# KiCad board butterfly-chonky.kicad_pcb
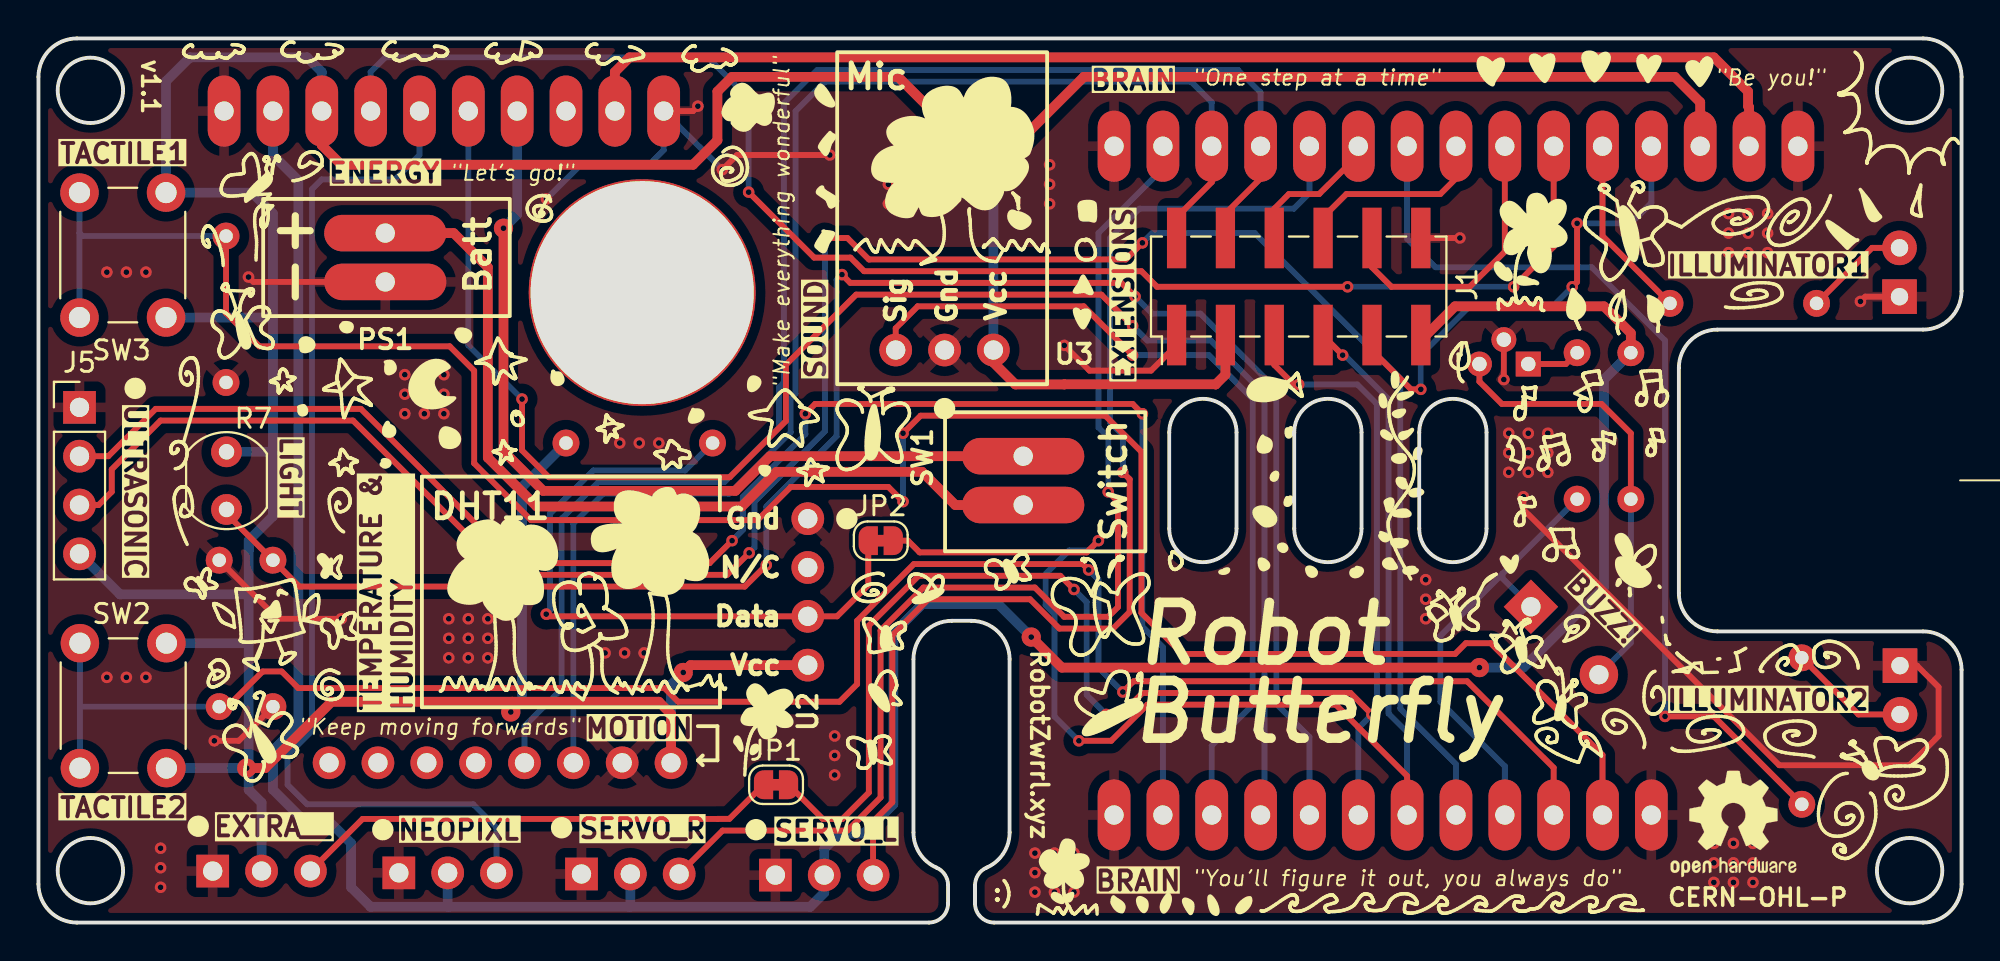
[diagram p0: board, top side]
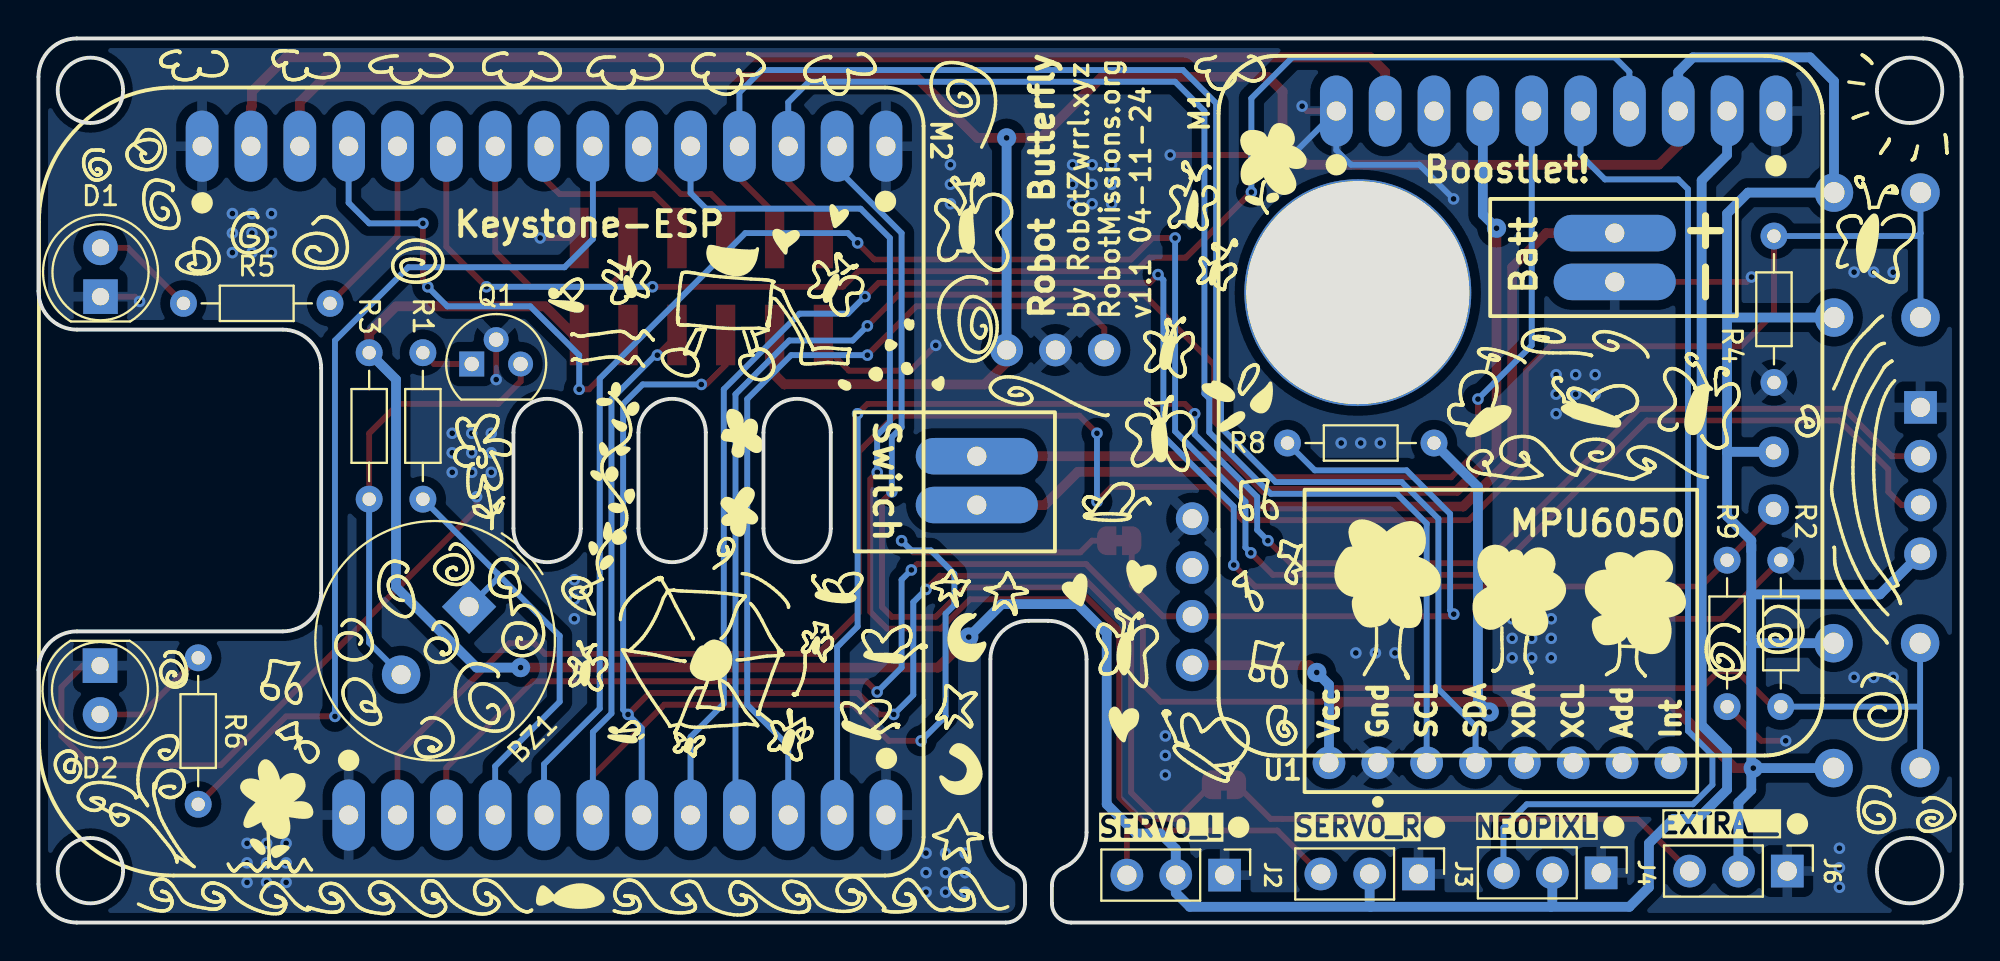
[diagram p1: board, bottom side, seen from below]

Outline 100 x 46 mm; copper layers: Top, Bottom. Coordinates in mm from the lower left corner of the outline.
Outline path: circle c2.7,43.3 r1.7 ; circle c2.7,2.7 r1.7 ; circle c97.3,43.3 r1.7 ; circle c97.3,2.7 r1.7 ; 0,44 0,2 arc(0.59,0.59) 2,0 46.3,0 arc(47.01,0.29) 47.3,1 47.3,1.94 arc(47.14,2.49) 46.7,2.86 arc(45.83,3.59) 45.5,4.69 45.5,13.7 arc(46.09,15.11) 47.5,15.7 48.5,15.7 arc(49.91,15.11) 50.5,13.7 50.5,4.69 arc(50.17,3.59) 49.3,2.86 arc(48.86,2.49) 48.7,1.94 48.7,1 arc(48.99,0.29) 49.7,0 98,0 arc(99.41,0.59) 100,2 100,13.15 arc(99.41,14.56) 98,15.15 87.3,15.15 arc(85.89,15.74) 85.3,17.15 85.3,28.85 arc(85.89,30.26) 87.3,30.85 98,30.85 arc(99.41,31.44) 100,32.85 100,44 arc(99.41,45.41) 98,46 2,46 arc(0.59,45.41) 0,44 ; 58.8,25.5 58.8,20.5 arc(60.55,18.75) 62.3,20.5 62.3,25.5 arc(60.55,27.25) 58.8,25.5 ; 65.3,25.5 65.3,20.5 arc(67.05,18.75) 68.8,20.5 68.8,25.5 arc(67.05,27.25) 65.3,25.5 ; 71.8,25.5 71.8,20.5 arc(73.55,18.75) 75.3,20.5 75.3,25.5 arc(73.55,27.25) 71.8,25.5

## Placement (name value [footprint] x y rotation side)
BZ1  Buzzer  [Buzzer_TDK_PS1240P02BT_D12.2mm_H6.5mm]  77.61 16.43 315 bottom
D1  LED  [LED_D5.0mm_Clear]  96.77 32.57 90 bottom
D2  LED  [LED_D5.0mm_Clear]  96.8 13.37 270 bottom
J1  Conn_02x06_Odd_Even  [PinHeader_2x06_P2.54mm_Vertical_SMD]  65.53 33.09 90 top
J2  Conn_01x03_Pin  [PinHeader_1x03_P2.54mm_Vertical]  38.32 2.47 270 bottom
J3  Conn_01x03_Pin  [PinHeader_1x03_P2.54mm_Vertical]  28.24 2.53 270 bottom
J4  Conn_01x03_Pin  [PinHeader_1x03_P2.54mm_Vertical]  18.74 2.59 270 bottom
J5  Conn_01x04_Socket  [PinHeader_1x04_P2.54mm_Vertical]  2.13 26.8 0 top
J6  Conn_01x03_Pin  [PinHeader_1x03_P2.54mm_Vertical]  9.06 2.68 270 bottom
JP1  SolderJumper_2_Bridged  [SolderJumper-2_P1.3mm_Bridged_RoundedPad1.0x1.5mm]  38.35 7.17 180 top
JP2  SolderJumper_2_Bridged  [SolderJumper-2_P1.3mm_Bridged_RoundedPad1.0x1.5mm]  43.8 19.87 0 top
M1  ~  [Boostlet_v1.3]  23.14 25.66 180 top
M2  ~  [Keystone-ESP_v1.2]  76.5 22.11 180 top
PS1  2xAA_Battery_Module  [Batt_Header]  19.3 37.27 0 top
Q1  2N2222  [TO-92]  77.47 29.06 180 bottom
R1  2K  [R_Axial_DIN0204_L3.6mm_D1.6mm_P7.62mm_Horizontal]  80.01 22.03 90 bottom
R2  10k  [R_Axial_DIN0204_L3.6mm_D1.6mm_P7.62mm_Horizontal]  9.4 18.85 270 bottom
R3  330  [R_Axial_DIN0204_L3.6mm_D1.6mm_P7.62mm_Horizontal]  82.8 22.03 90 bottom
R4  10k  [R_Axial_DIN0204_L3.6mm_D1.6mm_P7.62mm_Horizontal]  9.75 28.1 90 bottom
R5  330  [R_Axial_DIN0204_L3.6mm_D1.6mm_P7.62mm_Horizontal]  92.46 32.22 180 bottom
R6  330  [R_Axial_DIN0204_L3.6mm_D1.6mm_P7.62mm_Horizontal]  91.69 13.77 270 bottom
R7  A9050  [R_LDR_5.0x4.1mm_P3mm_Vertical]  9.78 24.49 270 top
R8  10k  [R_Axial_DIN0204_L3.6mm_D1.6mm_P7.62mm_Horizontal]  35.05 24.95 180 bottom
R9  10k  [R_Axial_DIN0204_L3.6mm_D1.6mm_P7.62mm_Horizontal]  12.19 11.23 90 bottom
REF**  -  [OSHW-Logo2_7.3x6mm_SilkScreen]  88.14 5.14 0 top
SW1  -  [Switch_Header]  51.21 24.26 0 top
SW2  SW_Push  [SW_PUSH_6mm_H5mm]  6.65 14.54 270 top
SW3  SW_Push  [SW_PUSH_6mm_H5mm]  6.63 37.98 270 top
U1  -  [MPU6050_Module]  34.16 6.79 90 bottom
U2  -  [DHT11_Module]  40.77 11.11 180 top
U3  -  [Mic_Module]  41.78 28.26 90 top

## Library data of the parts
BZ1 = -: Description: Buzzer, polarized; Digikey: 445-2525-1-ND; Digikey2: 445-5242-1-ND; ki_fp_filters: *Buzzer*
D1 D2 = -: Description: Light emitting diode; Digikey: 365-1183-ND; ki_fp_filters: LED* LED_SMD:* LED_THT:*
J1 = -: Description: Generic connector, double row, 02x06, odd/even pin numbering scheme (row 1 odd numbers, row 2 even numbers), script generated (kicad-library-utils/schlib/autogen/connector/); ki_fp_filters: Connector*:*_2x??_*
J2-J4 J6 = -: Description: Generic connector, single row, 01x03, script generated; ki_fp_filters: Connector*:*_1x??_*
J5 = -: Description: Generic connector, single row, 01x04, script generated; ki_fp_filters: Connector*:*_1x??_*
JP1 JP2 = -: Description: Solder Jumper, 2-pole, closed/bridged; ki_fp_filters: SolderJumper*Bridged*
Q1 = -: Digikey: PN2222AFS-ND; Digikey2: 1514-PN2222APBFREE-ND; ki_fp_filters: TO?39*
R1 = -: Digikey: CF14JT2K00CT-ND; ki_fp_filters: R_*
R2 R4 R8 R9 = -: Digikey: CF14JT10K0CT-ND; ki_fp_filters: R_*
R3 R5 R6 = -: Digikey: CF14JT330RCT-ND; ki_fp_filters: R_*
R7 = -: Datasheet: http://cdn-reichelt.de/documents/datenblatt/A500/A90xxxx%23PE.pdf; Description: light dependent resistor; ki_fp_filters: R*LDR*5.0x4.1mm*P3mm*
SW2 SW3 = -: Description: Push button switch, generic, two pins; Digikey: 450-1650-ND

## Footprints (pads in the part's own frame, mm; a bottom-side part is the same pattern mirrored in y, then rotated)
Batt_Header
  oval 6.35x1.9 hole 1: 1(-1.27,-3.937) 2(-1.27,-1.397)
Boostlet_v1.3
  round 11.8 hole 11.6: (-8.255,-7.112)
  oval 1.7x3.7 hole 1: 1(-9.373,-16.561) 2(-6.833,-16.561) 3(-4.293,-16.561) 4(-1.753,-16.561) 5(0.787,-16.561) 6(3.327,-16.561) 7(5.867,-16.561) 8(8.407,-16.561) 9(10.947,-16.561) 10(13.487,-16.561)
Buzzer_TDK_PS1240P02BT_D12.2mm_H6.5mm
  rect 2x2 hole 1: 1(0,0)
  round 2 hole 1: 2(5,0)
DHT11_Module
  round 1.7 hole 1: 1(0.762,-2.286) 2(0.762,-4.826) 3(0.762,-7.366) 4(0.762,-9.906)
Keystone-ESP_v1.2
  oval 1.7x3.7 hole 1: 1(20.574,-18.288) 2(18.034,-18.288) 3(15.494,-18.288) 4(12.954,-18.288) 5(10.414,-18.288) 6(7.874,-18.288) 7(5.334,-18.288) 8(2.794,-18.288) 9(0.254,-18.288) 10(-2.286,-18.288) 11(-4.826,-18.288) 12(-7.366,-18.288) 13(-9.906,-18.288) 14(-12.446,-18.288) 15(-14.986,-18.288) 16(20.574,16.51) 17(18.034,16.51) 18(15.494,16.51) 19(12.954,16.51) 20(10.414,16.51) 21(7.874,16.51) 22(5.334,16.51) 23(2.794,16.51) 24(0.254,16.51) 25(-2.286,16.51) 26(-4.826,16.51) 27(-7.366,16.51)
LED_D5.0mm_Clear
  rect 1.8x1.8 hole 0.9: 1(0,0)
  round 1.8 hole 0.9: 2(2.54,0)
Mic_Module
  round 1.7 hole 1: 1(1.524,-2.794) 2(1.524,-5.334) 3(1.524,-7.874)
MPU6050_Module
  round 1.7 hole 1: 1(1.524,-1.27) 2(1.524,-3.81) 3(1.524,-6.35) 4(1.524,-8.89) 5(1.524,-11.43) 6(1.524,-13.97) 7(1.524,-16.51) 8(1.524,-19.05)
PinHeader_1x03_P2.54mm_Vertical
  rect 1.7x1.7 hole 1: 1(0,0)
  oval 1.7x1.7 hole 1: 2(0,-2.54) 3(0,-5.08)
PinHeader_1x04_P2.54mm_Vertical
  rect 1.7x1.7 hole 1: 1(0,0)
  oval 1.7x1.7 hole 1: 2(0,-2.54) 3(0,-5.08) 4(0,-7.62)
PinHeader_2x06_P2.54mm_Vertical_SMD
  rect 3.15x1 smd: 1(-2.525,6.35) 2(2.525,6.35) 3(-2.525,3.81) 4(2.525,3.81) 5(-2.525,1.27) 6(2.525,1.27) 7(-2.525,-1.27) 8(2.525,-1.27) 9(-2.525,-3.81) 10(2.525,-3.81) 11(-2.525,-6.35) 12(2.525,-6.35)
R_Axial_DIN0204_L3.6mm_D1.6mm_P7.62mm_Horizontal
  round 1.4 hole 0.7: 1(0,0)
  oval 1.4x1.4 hole 0.7: 2(7.62,0)
R_LDR_5.0x4.1mm_P3mm_Vertical
  round 1.6 hole 0.8: 1(0,0) 2(3,0)
SolderJumper-2_P1.3mm_Bridged_RoundedPad1.0x1.5mm
  custom 1x1.5 smd: 1(-0.65,0) 2(0.65,0)
SW_PUSH_6mm_H5mm
  round 2 hole 1.1: 1(0,0) 1(6.5,0) 2(0,-4.5) 2(6.5,-4.5)
Switch_Header
  oval 6.35x1.9 hole 1: 1(0,-2.54) 2(0,0)
TO-92
  rect 1.3x1.3 hole 0.75: 1(0,0)
  round 1.3 hole 0.75: 2(1.27,1.27) 3(2.54,0)

## Nets
/5V: J1.11 J2.2 J3.2 J4.2 M1.9 R3.2
GND: D1.1 D2.1 J1.1 J1.12 J2.1 J3.1 J4.1 J5.1 J6.1 M1.1 M1.10 M2.1 M2.15 M2.16 M2.27 PS1.1 Q1.2 R2.1 R4.1 R9.1 U1.2 U2.4 U3.2
VCC: J1.3 J5.4 J6.2 M1.8 M2.13 R7.1 R8.2 SW2.1 SW3.1 U1.1 U2.1 U3.3
/BATT_SIG: M1.5 M2.19
/BUTTON_1: M2.25 R2.2 SW2.2
/BUTTON_2: M2.26 R4.2 SW3.2
/BUTTON_3: J1.9 M2.12
/BUZZER: BZ1.1 M2.24 R1.1
/LDR: M2.20 R7.2 R9.2
/LED_COMMS: M2.7 R6.2
/LED_HEARTBEAT: M2.11 R5.2
/MIC: M2.18 U3.1
/NEO_IN: M1.7 M2.10
/NEO_OUT: J4.3 M1.6
/PROXIMITY_L: J1.5 JP1.1 M2.21
/PROXIMITY_R: J1.7 JP2.2 M2.22
/SCL: J1.2 M2.3 U1.3
/SDA: J1.4 M2.4 U1.4
/SERVO_L: J2.3 M2.5
/SERVO_R: J3.3 M2.2
/SERVO_X: J1.6 M2.6
/UART2_RX: J1.10 M2.9
/UART2_TX: J1.8 M2.8
/ULTRASONIC_IN: J5.2 M2.17
/ULTRASONIC_OUT: J5.3 M2.23
/V_BATT: M1.4 SW1.2
Net-(BZ1--): BZ1.2 Q1.3 R3.1
Net-(D1-A): D1.2 R5.1
Net-(D2-A): D2.2 R6.1
Net-(J6-Pin_3): J6.3 JP1.2
Net-(JP2-A): JP2.1 R8.1 U2.2
Net-(M1-V_BUS): M1.2 M2.14
Net-(PS1-V_Batt): PS1.2 SW1.1
Net-(Q1-B): Q1.1 R1.2

Pads without a net: M1 3; U1 5 6 7 8; U2 3

## Via types
v1: diameter 0.6, hole 0.3, Top to Bottom, 132 vias
v2: diameter 1, hole 0.3, Top to Bottom, 7 vias

## Routing (per net, layer and track width the routed paths; a pad name or vN(x,y) marks a point on that pad's centre or on a via; arc(x,y) is an arc through that point)
/5V: length 155.6
  Top w0.508: v2(51.63,14.85) 53.21,13.27 v2(74.93,13.27) ; J1.11 72.17,30.57 73.66,32.06 81.41,32.06 82.8,30.67 82.8,29.65 ; 71.88,29.52 71.88,30.05
  Bottom w0.508: 21.34,0.82 30.73,0.82 ; 21.34,0.82 21.28,0.88 J4.2 ; 21.34,0.82 17.27,0.82 16.26,1.84 16.26,4.12 14.99,5.39 13.72,5.39 12.19,6.92 12.19,8.95 13.51,10.27 13.51,38.62 12.19,39.94 M1.9 ; 30.73,0.82 40.13,0.82 40.86,1.55 J2.2 40.86,3.83 41.66,4.63 42.93,4.63 44.45,6.15 44.45,15.06 45.96,16.57 49.91,16.57 v2(51.63,14.85) ; 30.73,0.82 30.78,0.86 J3.2 ; 82.8,29.65 81.41,28.25 81.41,17.46 77.22,13.27 v2(74.93,13.27)
GND: length 87
  Top w0.305: v1(35.56,39.17) 36.32,39.94 v1(41.15,39.94) ; PS1.1 11.18,33.33 v1(10.92,33.59) ; v1(94.74,32.32) 94.99,32.57 D1.1 ; v1(77.22,22.16) 77.22,21.49 90.52,8.19 97.28,8.19 98.81,9.71 98.81,12.25 97.69,13.37 D2.1 ; J1.12 v1(73.91,35.62) ; v1(53.34,30.03) 54.65,28.72 57.85,28.72 59.18,30.05 J1.1 ; R2.1 12.45,15.81 v1(15.75,15.81) ; Q1.2 v1(76.2,28.25) ; M1.1 34.04,42.22 v1(34.29,42.48) ; R9.1 10.41,9.46 v1(9.14,9.46)
  Bottom w0.305: v1(26.42,37.65) 28.19,39.43 31.75,39.43 32.51,40.19 M1.1 v1(35.56,39.17)
  vias: v1(3.56,33.84) v1(3.56,12.76) v1(4.57,33.84) v1(4.57,12.76) v1(5.59,33.84) v1(5.59,12.76) v1(6.35,3.87) v1(6.35,2.85) v1(6.35,1.84) v1(19.05,28.51) v1(19.05,27.49) v1(19.05,26.47) v1(20.07,28.51) v1(20.07,27.49) v1(20.07,26.47) v1(21.08,28.51) v1(21.08,27.49) v1(21.08,26.47) v1(21.34,15.81) v1(21.34,14.79) v1(21.34,13.77) v1(22.35,15.81) v1(22.35,14.79) v1(22.35,13.77) v1(23.37,15.81) v1(23.37,14.79) v1(23.37,13.77) v1(29.46,14.03) v1(30.23,24.95) v1(30.48,14.03) v1(31.24,24.95) v1(31.5,14.03) v1(32.26,24.95) v1(41.4,9.71) v1(41.4,8.69) v1(41.4,7.68) v1(44.2,39.43) v1(44.2,38.41) v1(44.2,37.4) v1(45.21,39.43) v1(45.21,38.41) v1(45.21,37.4) v1(46.23,39.43) v1(46.23,38.41) v1(46.23,37.4) v1(51.82,3.61) v1(51.82,2.6) v1(51.82,1.58) v1(52.58,39.43) v1(52.58,38.41) v1(52.58,37.4) v1(52.83,3.61) v1(52.83,2.6) v1(52.83,1.58) v1(53.85,3.61) v1(53.85,2.6) v1(53.85,1.58) v1(72.14,17.84) v1(72.14,16.82) v1(72.14,15.81) v1(76.45,25.46) v1(76.45,24.44) v1(76.45,23.43) v1(77.47,25.46) v1(77.47,24.44) v1(77.47,23.43) v1(78.49,25.46) v1(78.49,24.44) v1(78.49,23.43) v1(87.12,4.12) v1(87.12,3.11) v1(87.12,2.09) v1(87.88,36.89) v1(87.88,35.87) v1(87.88,34.86) v1(88.14,4.12) v1(88.14,3.11) v1(88.14,2.09) v1(88.9,36.89) v1(88.9,35.87) v1(88.9,34.86) v1(89.15,4.12) v1(89.15,3.11) v1(89.15,2.09) v1(89.92,36.89) v1(89.92,35.87) v1(89.92,34.86)
VCC: length 247.2
  Top w0.508: U3.3 49.66,29.14 50.8,28 53.34,28 53.35,28.01 61.21,28.01 61.21,28 61.72,28.51 J1.3 ; 24.64,11.49 32.26,11.49 32.89,10.85 U1.1 ; 24.64,11.49 24.56,11.41 v2(24.56,10.95) ; 24.64,11.49 15.24,11.49 11.79,8.04 v2(10.83,8.04) ; 40,13.39 33.91,13.39 v2(33.53,13.01) ; M1.8 14.73,40.44 15.75,39.43 34.04,39.43 35.31,40.7 35.31,43.24 36.07,44 44.7,44 47.88,40.83 v2(49.66,40.83) 51.18,40.83 54.36,44 85.09,44 86.41,42.68 M2.13
  Bottom w0.508: 10.93,19.36 10.93,19.88 12.19,21.14 12.19,24.44 ; v2(49.66,40.83) U3.3 ; SW2.1 v2(10.83,8.04) 10.93,7.93 ; 12.19,24.44 12.14,24.49 R7.1 ; 12.19,24.44 12.19,31.55 ; SW2.1 10.93,14.54 ; 10.93,14.54 10.93,17.08 ; 10.93,14.54 10.93,7.93 ; 10.93,17.08 4.24,17.08 J5.4 ; 10.93,17.08 10.93,19.62 ; R8.2 25.15,22.66 25.15,11.49 25.1,11.49 v2(24.56,10.95) ; v2(33.53,13.01) 32.89,12.38 U1.1 ; 10.93,7.93 10.93,6.9 11.6,6.24 J6.2 ; 12.19,31.55 12.19,36.89 11.1,37.98 SW3.1 6.63,43.78 7.87,45.02 13.97,45.02 14.73,44.25 M1.8 ; 12.19,31.55 12.12,31.48 SW3.1
/BATT_SIG: length 87.8
  Top w0.305: v1(25.15,27.24) 25.15,24.57 26.54,23.17 35.94,23.17 38.87,26.09 38.87,29.02 42.52,32.67 55.27,32.67 v1(56.9,31.05)
  Bottom w0.305: M1.5 22.35,30.03 v1(25.15,27.24) ; v1(56.9,31.05) 57.66,30.28 60.96,30.28 63.75,27.49 63.75,5.8 M2.19
/BUTTON_1: length 99.4
  Top w0.305: v1(56.39,12) 56.95,12.55 74.29,12.55 78.79,8.05 M2.25 ; R2.2 9.83,11.23 11.66,13.06 12.65,13.06 13.51,12.2 32.55,12.2 33.26,11.49 41.66,11.49 42.57,12.4 42.57,15.7 45.52,18.65 54.31,18.65 v1(54.61,18.35)
  Bottom w0.305: R2.2 2.15,11.23 ; 2.15,11.23 SW2.2 ; 2.15,11.23 SW2.2 ; v1(56.39,12) 55.12,13.27 55.12,17.84 v1(54.61,18.35)
/BUTTON_2: length 117.8
  Top w0.305: M2.26 81.33,8.72 75.51,14.54 74.23,14.54 73.67,13.98 59.49,13.98 57.35,16.11 57.35,24.49 55.47,26.37 45.87,26.37 v1(44.96,25.46) ; v1(44.96,21.9) 44.2,22.66 39.12,22.66 37.39,20.94 25.61,20.94 22.66,23.89 22.66,28.71 21.39,29.98 11.48,29.98 9.75,31.71 R4.2
  Bottom w0.305: 2.13,35.87 SW3.2 ; 2.13,35.87 2.29,35.72 R4.2 ; 2.13,35.87 SW3.2 ; v1(44.96,21.9) v1(44.96,25.46)
/BUTTON_3: length 26
  Top w0.305: J1.9 69.34,29.78 71.37,27.74 v1(71.88,27.74) ; v1(80.01,36.38) 80.01,33.33 v1(79.76,33.08)
  Bottom w0.305: M2.12 83.87,37.45 82.8,36.38 v1(80.01,36.38) ; v1(71.88,27.74) 71.88,29.52 74.42,32.06 78.74,32.06 v1(79.76,33.08)
/BUZZER: length 23.1
  Bottom w0.305: BZ1.1 76.14,17.9 76.14,18.16 ; 76.14,18.16 R1.1 ; 76.14,18.16 72.9,14.92 72.9,11.49 76.25,8.14 M2.24
/LDR: length 95
  Top w0.305: v1(37.85,18.6) 36.73,17.48 13.56,17.48 R9.2 9.78,21.27 R7.2 ; v1(57.02,32.57) 56.31,33.28 42.21,33.28 v1(41.78,33.71)
  Bottom w0.305: M2.20 66.09,9.66 64.36,11.39 64.36,27.74 60.43,31.68 57.91,31.68 v1(57.02,32.57) ; v1(41.78,33.71) 41.5,33.43 41.5,25.31 37.85,21.65 v1(37.85,18.6)
/LED_COMMS: length 49
  Top w0.305: v1(84.58,10.73) 87.12,10.73 R6.2
  Bottom w0.305: M2.7 71.17,35.57 72.64,34.09 80.77,34.09 84.58,30.28 v1(84.58,10.73)
/LED_HEARTBEAT: length 9.6
  Top w0.305: M2.11 81.33,35.73 R5.2
/MIC: length 44.7
  Top w0.305: v1(56.9,29.52) 54.36,32.06 45.72,32.06 44.58,30.92 U3.1
  Bottom w0.305: v1(56.9,29.52) 60.86,29.52 63.14,27.24 63.14,11.34 61.01,9.2 M2.18
/NEO_IN: length 77.8
  Top w0.305: M2.10 78.79,35.16 v1(76.71,33.08) ; v1(68.07,33.08) 58.17,33.08 57.35,33.89 42.93,33.89 42.22,34.6 40.34,34.6 v1(36.93,38)
  Bottom w0.305: v1(68.07,33.08) v1(76.71,33.08) ; M1.7 17.27,44.25 18.03,45.02 34.8,45.02 36.93,42.88 v1(36.93,38)
/NEO_OUT: length 54.3
  Bottom w0.305: M1.6 19.81,39.94 18.54,38.67 14.73,38.67 14.22,38.16 14.22,9.97 12.95,8.7 12.95,7.17 13.97,6.15 22.61,6.15 23.82,4.94 J4.3
/PROXIMITY_L: length 77.7
  Top w0.305: v1(55.52,10.83) 56.29,10.83 57.41,11.95 68.22,11.95 v1(69.34,10.83) ; v1(65.53,28) 65.28,28 64.26,29.01 J1.5 ; JP1.1 40.78,5.4 41.81,5.4 43.18,6.76 43.18,15.45 45.77,18.04 53.14,18.04 v1(53.85,17.33)
  Bottom w0.305: v1(55.52,10.83) 54.51,11.84 54.51,16.67 v1(53.85,17.33) ; M2.21 68.63,10.12 v1(69.34,10.83) 69.6,11.08 69.6,26.98 68.58,28 v1(65.53,28)
/PROXIMITY_R: length 72.3
  Top w0.305: v1(55.12,19.87) 54.51,19.26 45.82,19.26 45.21,19.87 JP2.2 ; v1(67.82,29.52) 66.8,30.54 J1.7 ; v1(54.1,9.46) 55.78,9.46 57.66,11.34 67.46,11.34 71.17,7.63 M2.22
  Bottom w0.305: M2.22 71.17,9.91 70.21,10.88 70.21,27.23 67.92,29.52 v1(67.82,29.52) ; v1(54.1,9.46) 52.83,10.73 52.83,16.06 52.37,16.52 52.37,18.14 53.59,19.36 54.61,19.36 v1(55.12,19.87)
/SCL: length 73.1
  Top w0.305: M2.3 61.01,38.52 59.18,36.69 J1.2
  Bottom w0.305: U1.3 27.81,20.76 29.36,22.31 35.92,22.31 39.12,25.5 39.12,27.26 39.37,27.52 39.37,42.22 40.89,43.75 59.94,43.75 61.01,42.68 M2.3
/SDA: length 78.1
  Top w0.305: M2.4 63.55,38.72 61.72,36.89 J1.4
  Bottom w0.305: U1.4 25.27,10.22 27.2,12.15 27.2,21.01 29.11,22.92 35.67,22.92 38.51,25.76 38.51,27.85 38.76,28.1 38.76,42.63 40.49,44.36 62.38,44.36 63.55,43.19 M2.4
/SERVO_L: length 61.2
  Top w0.305: v1(56.38,23.43) 56.74,23.07 56.74,16.16 55.88,15.3 53.09,15.3 51.56,16.82 46.27,16.82 44.4,14.95 44.4,6.26 43.4,5.26 J2.3
  Bottom w0.305: 66.04,39.89 66.09,39.94 M2.5 66.09,37.95 65.28,37.14 57.25,37.14 55.73,35.62 55.73,26.02 56.39,25.36 56.39,23.43 v1(56.38,23.43)
/SERVO_R: length 60.7
  Top w0.305: J3.3 35.58,4.79 42.07,4.79 43.79,6.51 43.79,15.2 46.02,17.43 51.81,17.43 53.34,15.91 55.63,15.91 56.13,16.41 56.13,21.9 v1(55.63,22.41)
  Bottom w0.305: v1(55.63,22.41) 55.63,25.26 55.12,25.77 55.12,35.87 58.47,39.22 M2.2
/SERVO_X: length 7.5
  Top w0.305: J1.6 64.26,37.14 65.02,37.9 66.6,37.9 68.63,39.94 M2.6
/UART2_RX: length 15.1
  Top w0.305: M2.9 76.25,34.91 74.42,33.08 70.36,33.08 69.34,34.09 J1.10
/UART2_TX: length 10.5
  Top w0.305: J1.8 66.8,36.69 68.01,37.9 72.9,37.9 73.71,38.72 M2.8
/ULTRASONIC_IN: length 86.2
  Top w0.305: v1(57.4,26.47) 56.9,26.98 40.39,26.98 v1(39.88,26.47) ; v1(36.07,19.87) 34.9,18.7 24.79,18.7 16.76,26.73 6.1,26.73 3.63,24.26 J5.2
  Bottom w0.305: v1(39.88,26.47) 39.88,25.4 36.63,22.15 36.63,20.43 v1(36.07,19.87) ; v1(57.4,26.47) 57.4,15.4 58.47,14.33 M2.17
/ULTRASONIC_OUT: length 117.1
  Top w0.305: v1(57.4,35.36) 56.54,34.5 43.18,34.5 42.06,35.62 v1(40.89,35.62) ; J5.3 3.12,21.72 3.81,22.41 3.81,23.58 6.35,26.12 16.36,26.12 24.38,18.09 35.81,18.09 v1(36.96,19.24)
  Bottom w0.305: v1(36.96,19.24) 37.24,19.51 37.24,21.9 40.89,25.56 v1(40.89,35.62) ; v1(57.4,35.36) 57.91,35.87 63.25,35.87 70.82,28.3 70.82,11.13 73.71,8.24 M2.23
/V_BATT: length 46.6
  Top w0.508: SW1.2 38.04,24.26 36.24,22.46 26.24,22.46 24.18,24.52 v2(24.18,36.13)
  Bottom w0.508: v2(24.18,36.13) 24.89,36.84 M1.4
Net-(BZ1--): length 23.2
  Top w0.305: Q1.3 74.93,28.15 76.1,26.98 81.28,26.98 82.8,25.46 R3.1
  Bottom w0.305: R3.1 82.8,14.56 BZ1.2
Net-(D1-A): length 5.5
  Top w0.305: 96.77,35.11 95.35,35.11 R5.1
Net-(D2-A): length 6.3
  Top w0.305: R6.1 94.64,10.83 D2.2
Net-(J6-Pin_3): length 25.4
  Top w0.305: J6.3 16.85,5.39 35.32,5.39 35.32,5.4 35.93,5.4 JP1.2
Net-(JP2-A): length 35.1
  Top w0.305: v1(26.4,16.05) 26.52,15.93 U2.2 41.53,15.93 43.15,17.55 JP2.1
  Bottom w0.305: R8.1 33.63,23.53 28.86,23.53 26.59,21.26 26.59,16.24 v1(26.4,16.05)
Net-(M1-V_BUS): length 64.9
  Top w0.508: M1.2 29.97,44.25 30.73,45.02 87.12,45.02 88.9,43.24 88.9,42.48 88.95,42.43 M2.14
Net-(PS1-V_Batt): length 46.3
  Top w0.508: SW1.1 47.68,21.72 45.95,23.45 38.38,23.45 36.58,21.65 25.91,21.65 23.37,24.19 23.37,34.09 21.59,35.87 PS1.2
Net-(Q1-B): length 2.8
  Top w0.305: 80.01,29.65 79.42,29.06 Q1.1

## Copper pours and planes (outline as drawn; the poured copper is in the pictures)
GND on Top, Bottom: -2.29,48.06 102.36,48.06 102.11,-1.72 -2.67,-1.97

## Text on the board
B.Silkscreen: by RobotZwrrl.xyz / RobotMissions.org / v1.1 04-11-24 | EXTRA__ | NEOPIXL | SERVO_R | SERVO_L | Robot Butterfly
F.Silkscreen: {dblquote}Keep moving forwards{dblquote} | {dblquote}Let's go!{dblquote} | {dblquote}One step at a time{dblquote} | {dblquote}You'll figure it out, you always do{dblquote} | {dblquote}Be you!{dblquote} | {dblquote}Make everything wonderful{dblquote} | v1.1 | :) | CERN-OHL-P | RobotZwrrl.xyz | TACTILE1 | TACTILE2 | EXTRA__ | ENERGY | NEOPIXL | SERVO_R | MOTION | SERVO_L | BRAIN | ILLUMINATOR1 | ILLUMINATOR2 | TEMPERATURE & / HUMIDITY | SOUND | EXTENSIONS | ULTRASONIC | LIGHT | BUZZ! | Butterfly | Robot
